# Altium PCB Flight_Controller_Board_Design.PcbDoc (continued)
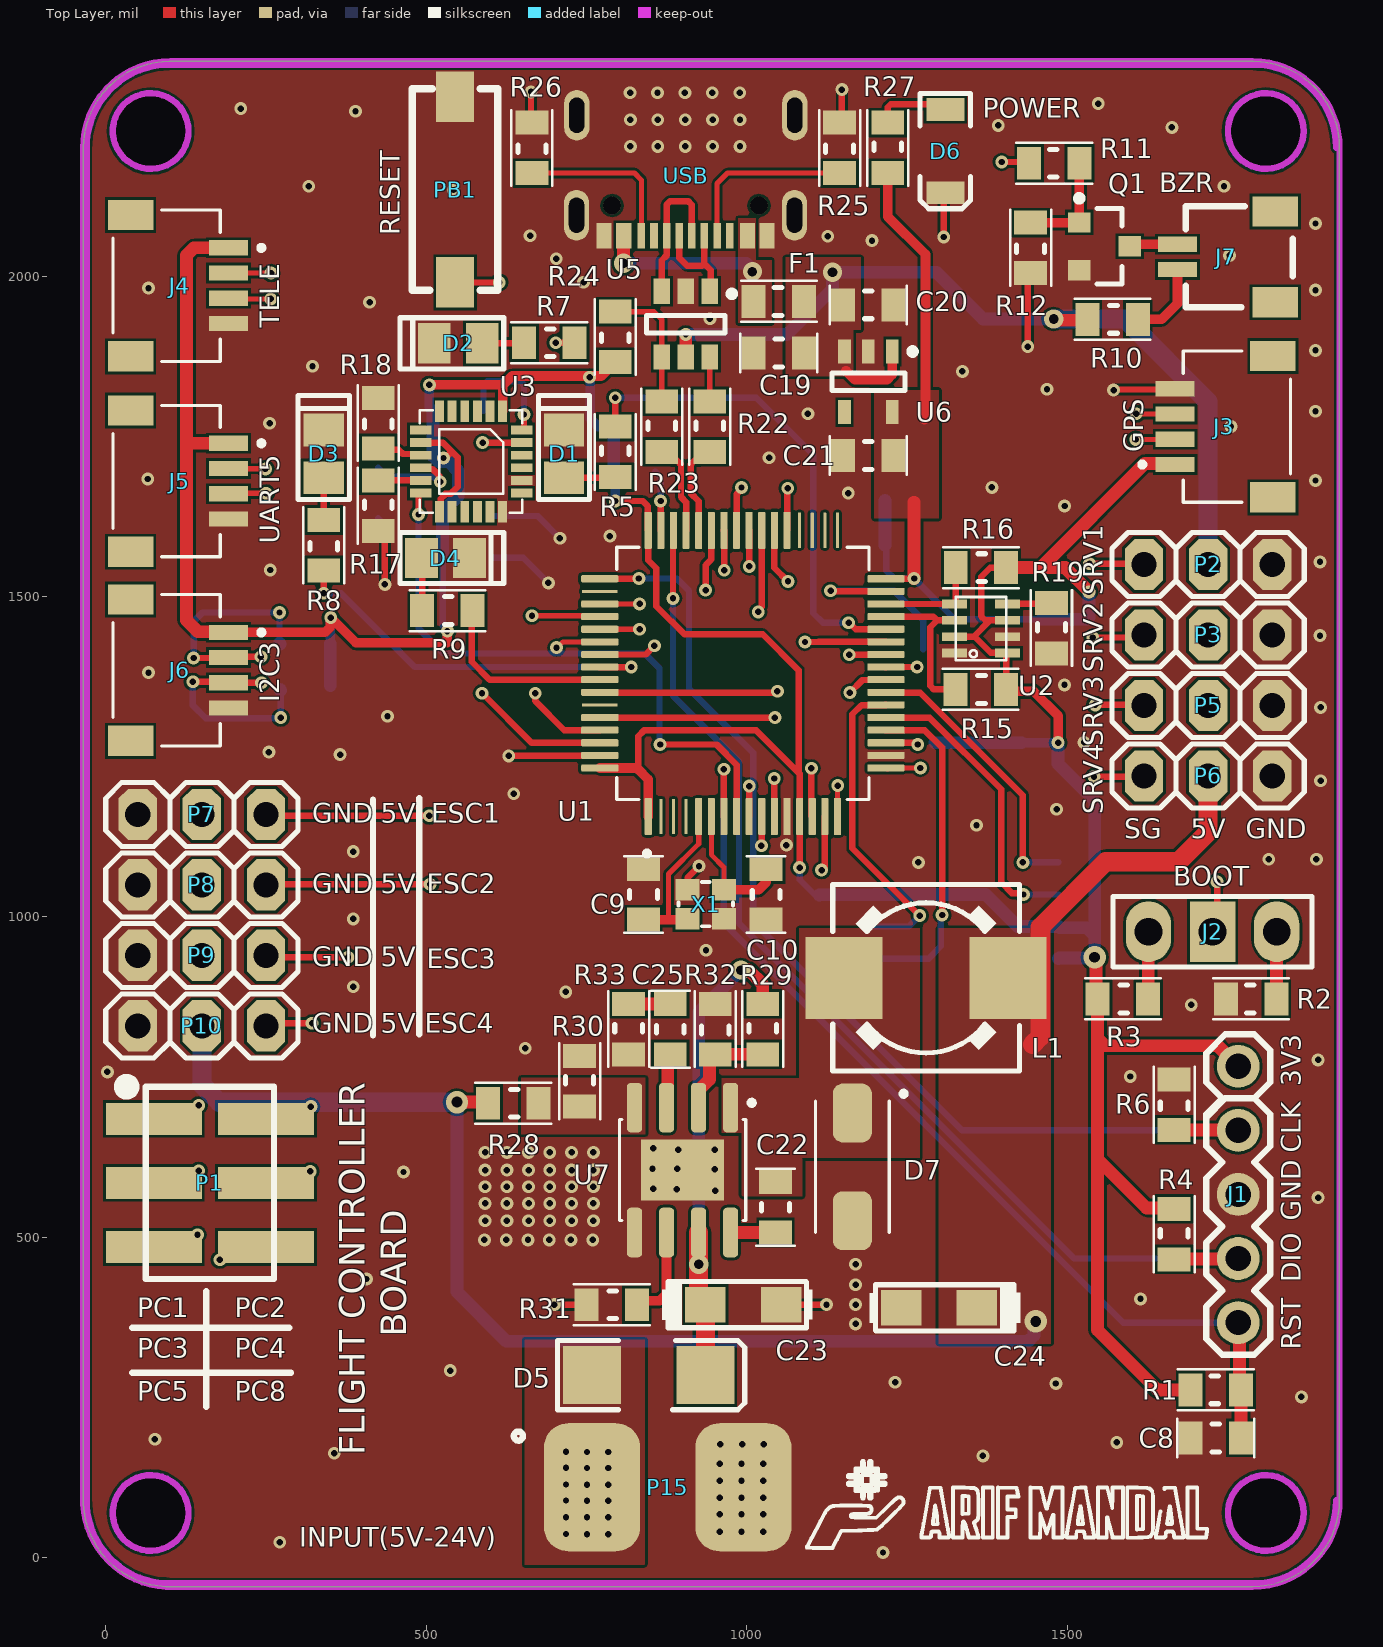
[diagram p0: Top Layer view]
## Footprints (in the part's own frame and the unit in brackets; to place one, negate y for a bottom-side part, rotate by r counter-clockwise, add the part's x,y. Pads: shape width x height; smd on the part's side, far side on the other; paste and mask are expansions set on the pad) (continued)
POWER_CONN [mm] "Power Connector"
  rrect50% 3.81x5.08 smd: 0(0,0) 1(6,0)
  silkscreen extent -3.1,1.85 -2.74,2.21
PTC-0805 [mm]
  rect 0.95x1.3 smd: 1(1.008,0.009) 2(-0.992,0.009)
  silkscreen extent -1.49,-0.8 1.51,0.82, body extent -1.07,-0.67 1.07,0.67, height 0.66
QFN-24 [mm]
  rect 0.85x0.35 smd mask+0.05: 1(-2,1.25) 2(-2,0.75) 3(-2,0.25) 4(-2,-0.25) 5(-2,-0.75) 6(-2,-1.25) 13(2,-1.25) 14(2,-0.75) 15(2,-0.25) 16(2,0.25) 17(2,0.75) 18(2,1.25)
  rect 0.35x0.85 smd mask+0.05: 7(-1.25,-2) 8(-0.75,-2) 9(-0.25,-2) 10(0.25,-2) 11(0.75,-2) 12(1.25,-2) 19(1.25,2) 20(0.75,2) 21(0.25,2) 22(-0.25,2) 23(-0.75,2) 24(-1.25,2)
  silkscreen extent -2.03,-2.03 2.03,2.03, body extent -2.01,-2.01 2.01,2.01, height 0.9
QFP-64N [mm]
  rrect25% 1.47x0.28 smd: 1(-5.67,3.75) 5(-5.67,1.75) 6(-5.67,1.25) 7(-5.67,0.75) 8(-5.67,0.25) 9(-5.67,-0.25) 10(-5.67,-0.75) 11(-5.67,-1.25) 12(-5.67,-1.75) 13(-5.67,-2.25) 14(-5.67,-2.75) 15(-5.67,-3.25) 16(-5.67,-3.75) 37(5.67,-1.75) 38(5.67,-1.25) 39(5.67,-0.75) 40(5.67,-0.25) 41(5.67,0.25) 42(5.67,0.75) 43(5.67,1.25) 44(5.67,1.75) 45(5.67,2.25) 46(5.67,2.75) 47(5.67,3.25) 48(5.67,3.75)
  rrect25% 1.397x0.127 smd: 2(-5.67,3.25) 3(-5.67,2.75) 4(-5.67,2.25) 33(5.67,-3.75) 34(5.67,-3.25) 35(5.67,-2.75) 36(5.67,-2.25)
  rrect25% 0.28x1.47 smd: 17(-3.75,-5.67) 18(-3.25,-5.67) 19(-2.75,-5.67) 20(-2.25,-5.67) 21(-1.75,-5.67) 22(-1.25,-5.67) 23(-0.75,-5.67) 24(-0.25,-5.67) 25(0.25,-5.67) 26(0.75,-5.67) 27(1.25,-5.67) 28(1.75,-5.67) 29(2.25,-5.67) 30(2.75,-5.67) 31(3.25,-5.67) 32(3.75,-5.67) 49(3.75,5.67) 51(2.75,5.67) 52(2.25,5.67) 53(1.75,5.67) 54(1.25,5.67) 55(0.75,5.67) 56(0.25,5.67) 57(-0.25,5.67) 58(-0.75,5.67) 60(-1.75,5.67) 61(-2.25,5.67) 62(-2.75,5.67) 63(-3.25,5.67) 64(-3.75,5.67)
  rrect25% 0.127x1.397 smd: 50(3.25,5.67) 59(-1.25,5.67)
  silkscreen extent -7.24,-5 5,5, body extent -6,-5.97 6,6.03, height 1.6
R805 [mm]
  rect 0.95x1.3 smd: 1(1,0) 2(-1,0)
  silkscreen extent -1.5,-0.81 1.5,0.81, body extent -1,-0.61 1,0.64, height 0.78
SM02B-SRSS-TB(LF)(SN) [mm]
  rect 0.6x1.55 smd: 1(-0.5,1.975) 2(0.5,1.975)
  rect 1.2x1.8 smd: 3(-1.8,-1.9) 4(1.8,-1.9)
  silkscreen extent -2,-2.6 2,1.65, body extent -2,-2.47 2,2.47, height 2.95
SOIC127P-9N [mm]
  rrect54% 1.97x0.6 smd: 1(-2.475,1.905) 2(-2.475,0.635) 3(-2.475,-0.635) 4(-2.475,-1.905) 5(2.475,-1.905) 6(2.475,-0.635) 7(2.475,0.635) 8(2.475,1.905)
  rect 2.41x3.3 smd paste-3: 9(0,0)
  silkscreen extent -2.77,-2.5 2,2.84, body extent -3,-2.45 3,2.45, height 1.7
SOIC-8N [mm]
  rrect25% 1.69x0.61 smd: 1(-3.64,1.905) 2(-3.64,0.635) 3(-3.64,-0.635) 4(-3.64,-1.905) 5(3.64,-1.905) 6(3.64,-0.635) 7(3.64,0.635) 8(3.64,1.905)
  silkscreen extent -5.43,-2.67 2.69,2.67, body extent -3.97,-2.67 3.97,2.59, height 2.03
SOT23_3 [mm]
  rect 0.9x0.8 smd: 1(-1,0.95) 2(-1,-0.95) 3(1,0)
  silkscreen extent -1.12,-1.5 0.7,2.02, body extent -1.25,-1.5 1.25,1.5, height 1.1
SOT-23-6 [mm]
  rect 1x0.65 smd: 1(-1.3,0.95) 2(-1.3,0) 3(-1.3,-0.95) 4(1.3,-0.95) 5(1.3,0) 6(1.3,0.95)
  silkscreen extent -1.32,-1.55 0.35,1.95, body extent -1.4,-1.45 1.4,1.45, height 1.45
SPARKFUN_PRT-14417 [mm]
  rect 0.6x1.55 smd: 1(-1.5,2.45) 2(-0.5,2.45) 3(0.5,2.45) 4(1.5,2.45)
  rect 1.2x1.8 smd: S1(-2.8,-1.425) S2(2.8,-1.425)
  silkscreen extent -3,-2.12 3,3.85, body extent -3.08,-2.21 2.92,2.74, height 3.25
TSOT-23-5 [mm]
  rect 0.95x0.5 smd: 1(-1.2,0.95) 2(-1.2,0) 3(-1.2,-0.95) 4(1.2,-0.95) 5(1.2,0.95)
  silkscreen extent -1.32,-1.45 0.35,1.88, body extent -1.4,-1.45 1.4,1.45, height 1
USB-C-5 [mm] "USB-C-16P-5"
  oval 1x2 hole 0.6 slot 1.4 at 90 deg: 0(-4.331,-5.113) 0(-4.32,-1.155) 0(4.309,-5.113) 0(4.32,-1.155)
  rect 0.6x1 smd: 1(-3.225,-0.34) 2(-2.45,-0.34) 11(2.45,-0.34) 12(3.225,-0.34)
  rect 0.3x1 smd: 4(-1.25,-0.34) 5(-0.75,-0.34) 6(-0.25,-0.34) 7(0.25,-0.34) 8(0.75,-0.34) 10(1.75,-0.34) A8(1.25,-0.34) B8(-1.75,-0.34)
  round 0.7 hole 0.7: h(-2.91,-1.537) h(2.91,-1.537)
  body extent -4.48,-7.82 4.47,-0.07, height 3.26

## Part data
C1 C2 C3 C4 C5 C6 C7 C8 C9 C10 C11 C12 C13 C14 C15 C16 C17 C18 C19 C20 C21 C22 C25: library part Cap, "Capacitor", Designer="Parsa Malekpour"
C23: library part "Cap Pol", "Polar capacitor", ASiD Part Number=C-AS, Volte=50v
C24: library part "Cap Pol", "Polar capacitor", ASiD Part Number=C-AS, Volte=6.3v
D1 D2 D3 D4: library part LED, "Typical INFRARED GaAs LED", ASiD Part Number=LED-AS
D5: library part 1N4007, "1 Amp Diode", ASiD Part Number=1n4007-AS
D7: "Diode, Rectifier, 3a, 40v, Do-214ac, Full Reel", Package=None, Availability=Unavailable, MP=B340A-13-F, Price=None
F1: library part PTC, "PTC", PackageReference=6-0805, PackageVersion=Mar-2003, Published=24-Mar-1999
J2: library part "Triple Jumper", "Jumper wire"
J3 J4 J5 J6: "QWIIC JST CONNECTOR - SMD 4-PIN", Package=None, Check_prices=https://www.snapeda.com/parts/PRT-14417/SparkFun+Electronics/view-part/?ref=eda, MF="SparkFun Electronics", MP=PRT-14417, SnapEDA_Link=https://www.snapeda.com/parts/PRT-14417/SparkFun+Electronics/view-part/?ref=snap
J7: library part SM02B-SRSS-TB(LF)(SN), "Connector Header Surface Mount, Right Angle 2 position 0.039 _1.00mm_", Package=None, Availability=Unavailable, MF="JST Sales", MP=SM02B-SRSS-TB_LF__SN_, Price=None, SnapEDA_Link=https://www.snapeda.com/parts/SM02B-SRSS-TB%28LF%29%28SN%29/JST%20Sales%20America%20Inc./view-part/447499/?ref=snap
L1: library part Inductor, "Inductor", ASiD Part Number=Inductor-AS, Current=3.75A
P1: "Pin Header 2x3, 2.54mm (100mil) SMD", Manufacturer=W-CON, Manufacturer Part Number=1125-1203S0M116R1, Part Number="Pin Header 2x3 SMD", Part number IPS=00000009966, Artikkelnr Noca=55010007, Component Class=Connectors, ComponentLink1Description=Datasheet, ComponentLink1URL=N.A., ComponentLink2Description="Supplier link", ComponentLink2URL=N.A., Footprint Doc=HDR_2x3-SMD, HelpURL=\\hizz\pro\app9717\Datasheet\connectors\W-CON\1125-12XXXXMXXXXX.PDF, LatestRevisionDate=2016-01-22, Note=SMD, Pad Count=6, PartId=100500242, Published=2016-01-22, Supplier 1=Cabcon, Supplier 2=Samtec, Supplier Part Number 1=1125-1203S0M116R1, Supplier Part Number 2=TSM-103-01-L-DV
P2 P3 P5 P6 P7 P8 P9 P10: "Header, 3-Pin", ASiD Part Number="Header 3-AS"
P15: "Li-on Battery Power Connector"
PB1: library part SWITCH-PB
Q1: library part bc817-16
R1 R2 R3 R4 R5 R6 R7 R8 R9 R10 R11 R12 R13 R14 R15 R16 R17 R18 R19 R20 R21 R22 R23 R24 R25 R26 R27 R28 R29 R30 R31 R32 R33: library part Resistor, "Resistor", Designer="Parsa Malekpour"
U1: "High-performance foundation line, ARM Cortex-M4 core with DSP and FPU, 1 Mbyte Flash, 168 MHz CPU, ART Accelerator", Package=64LQFP, Availability=Unavailable, MP=STM32F405RGT6, Purchase Link=https://ozdisan.com/Product/Detail/492033/STM32F405RGT6V
U2: "Digital Pressure Sensor"
U4: "EEPROM Memory IC 1Mb _128K x 8_ SPI 20MHz 8-SOIJ", Package="SOIC-8 Microchip", Availability=Unavailable, MF=Microchip, MP=25LC1024-I/SM, Price=None, SnapEDA_Link=https://www.snapeda.com/parts/25LC1024-I/SM/Microchip/view-part/223975/?ref=snap
U5: "Very low capacitance ESD protection"
U6: "Linear Voltage Regulator IC Positive Fixed 1 Output 300mA TSOT-23-5", Manu. Product Num.=NCP718BSN330T1G
U7: "Buck Switching Regulator IC Positive Adjustable 0.8V 1 Output 3A 8-SOIC (0.154, 3.90mm Width) Exposed Pad", Package="SOIC-8 Monolithic Power", Availability="In Stock", Check_prices=https://www.snapeda.com/parts/MP1584EN/Monolithic+Power+Systems+Inc./view-part/?ref=eda, MF="Monolithic Power", MP=MP1584EN, Price=None, Purchase-URL=https://pricing.snapeda.com/search/part/MP1584EN/?ref=eda, SnapEDA_Link=https://www.snapeda.com/parts/MP1584EN/Monolithic+Power+Systems+Inc./view-part/?ref=snap
USB: "USB Type C 16Pin Connector Super Speed pins not available on the 16-pin purely SMD connector so this part is best for USB 2.0 implementations. D1 and D2 are tied together enabling D+/- no matter which way the cable is plugged into the connector. The two channel configuration pins (CC1/2) are exposed. These are normally connected to ground via 5.1k resistors but can be reconfigured for high current/high power applications.", DeviceName=5, DeviceSetName=USB_C, GateName_1=J1, LibraryName=USBC, SymbolName_1=USB-C-MINIMUM
X1: "XTAL SMD 2016, 32MHz, Cl=8pF, Tol: ±10ppm, Stab: ±15ppm", Manufacturer=Golledge, Manufacturer Part Number=MP06003, Part Number=XTAL_SMD2016_32MHz_8pF_Golledge, Part number IPS=00000001431, Supplier Part Number 1=N.A., Artikkelnr Noca=22010050, Component Class=Oscillators, ComponentLink1Description=Datasheet, ComponentLink1URL=N.A., ComponentLink2Description="Supplier link", ComponentLink2URL=N.A., Footprint Doc=XTAL_2016, HelpURL=\\hizz\pro\app9717\Datasheet\crystals\Golledge\mp06003.pdf, LatestRevisionDate=2016-11-02, Note="XTAL SMD 32.000MHz", Pad Count=4, PartId=101600041, Published=2016-11-02, Supplier 1="Link Nordic", Supplier 2=N.A., Supplier Part Number 2=N.A.

## Via types
v1: diameter 20, hole 10, Top Layer to Bottom Layer, tented both sides, 223 vias
v2: diameter 20, hole 10, Top Layer to LY-1, tented both sides, 31 vias
v3: diameter 20, hole 10, Top Layer to LY-2, tented both sides, 21 vias
v4: diameter 30, hole 15, Top Layer to Bottom Layer, tented both sides, 6 vias
v5: diameter 35, hole 17, Top Layer to Bottom Layer, tented both sides, 3 vias

## Nets (pads, with @x,y where several pads share a name; then routed paths per layer and width w, separated by ;. In a path a pad name is that pad's centre, name@x,y a point inside that pad or via, vN(x,y) a via of type N, cw(c..) or ccw(c..) an arc to the next point about the centre after c; other vN are vias at no path point)
+3V3: C1.2 C2.2 C3.2 C4.2 C5.2 C6.2 C7.2 C13.2 C14.2 C15.2 C16.2 C18.2 C21.2 J1.1 J3.1 J4.1 J5.1 J6.1 R1.2 R3.1 R4.2 R13.2 R14.2 R15.2 R16.2 R20.2 R21.2 R24.2 R27.1 U1.1 U1.13 U1.19 U1.32 U1.48 U1.64 U2.2 U2.6 U2.8 U3.1 U3.8 U3.13 U4.3 U4.7 U4.8 U6.5 | length 8005.5
  Top Layer w10: U3.8 525.84,1740.16 539.69,1726.31 ; U3.13@522.68,1633.78 522.68,1652.68 530,1660 538,1660 549,1671 549,1717 539.69,1726.31 ; v1(527,1716.14) 529.51,1716.14 539.69,1726.31 ; v1(795,1649) 838,1649 845.91,1641.09 U1.48@845.91,1603.74 ; 831,1230 831,1282.14 839.86,1291 1015.13,1291 1081,1225.13 ; U1.48 846.42,1556.72 859,1544.14 859,1485 903,1441 1025,1441 1081,1385 1081,1225.13 ; v1(1082.64,1077.01) U1.13 1082.64,1223.49 1081,1225.13 ; U1.19 1261.56,1271.73 1264.29,1269 v1(1267,1269) ; U1.32 v1@1262,1527.64 ; 1261.2,1647 1263,1648.79 ; U2.2 1354.2,1437.2 ; R15.2 1405.08,1355.71 1405.08,1409.72 U2.8 1407.35,1412 1381.09,1412 1355.89,1437.2 1354.2,1437.2 ; R16.2 1380,1545 1366,1531 1366,1468.86 1372.06,1462.8 1379.8,1462.8 ; U2.6 1379.8,1462.8 ; 1354.2,1437.2 1379.8,1462.8
  Top Layer w15: J6.1 342.21,1444.06 350.04,1451.89 350.04,1466.04 v1(351,1467) 390,1428 533,1428 v1(533,1446) ; v1(505,1830.14) 618.28,1830.14 619.21,1829.21 ; U3.1 619.21,1829.21 ; U1.64 828.64,1232.36 ; R24.2 773.37,1844 634,1844 619.21,1829.21 ; 831,1230 846.42,1214.58 U1.1 ; R27.1 1220,2093 1279,2034 1279,1778 1277,1776 ; R15.2@1405.08,1355.71 1408.79,1352 1448,1352 1486,1314 v1(1486,1272)
  Top Layer w20: J6.1@190.51,1445 144,1445 126,1463 126,1740.16 ; J5.1 127.1,1739.06 126,1740.16 ; J4.1 137.72,2044.06 126,2032.34 126,1740.16 ; v1(1261.2,1528) 1261.2,1647 ; R16.2 1459,1545 ; v1(1534,1507) 1534,1508 1497,1545 1459,1545 ; v5(1543,937) 1545.31,934.69 1545.31,874.32 R3.1 1547.63,810.72 ; R4.2 1665.37,546 1624,546 1547.63,622.37 ; J3.1 1666.73,1707.76 1621.76,1707.76 1459,1545 ; R1.2 1641,262 1547.63,355.37 1547.63,622.37 ; J1.1 1735,799 1559.35,799 1547.63,810.72 ; 1547.63,622.37 1547.63,810.72
  Bottom Layer w10: 525.63,1454.37 C15.2 ; v1(1082.64,1077.01) 1082.64,1058.15 1106.42,1034.37 C18.2 ; C3.2 1217.63,1578 1217.63,1540.37 1229.8,1528.2 1261,1528.2 v1(1261.2,1528) 1324.83,1464.37 C13.2
  Bottom Layer w15: R20.2 v1@350.37,1467 ; v1(505,1830.14) 505,1795.47 R13.2 ; v1@756,1842 756,1777 768,1765 C1.2 ; v1@795,1650 C2.2@795,1692.64 ; C7.2 v1@1485,1271.73
  Bottom Layer w20: R21.2@350.37,1361 R20.2 ; R13.2 R14.2 510.63,1719.21 519.33,1710.51 534.77,1710.51 550,1695.28 550,1656.89 525.63,1632.52 C16.2 C15.2 ; C1.2 C2.2 C2.2@795,1692.64 ; C18.2 1113.62,1034.69 1199.69,1034.69 U4.3 1373,1035 1423,985 U4.7 1488.62,982.99 1531.28,982.99 1543,971.28 ; C3.2 C4.2 ; C5.2 C6.2 C7.2 ; C13.2 C14.2 1534,1467.74 v1(1534,1507) ; v1(1486,1272) 1486,1239 1543,1182 1543,971.28 ; U4.8 1487.61,936 1542,936 v5(1543,937) 1543,971.28
  other v1: 755,1842
+5V: C19.2 C20.2 C24.+ F1.1 L1.2 P2.2 P3.2 P5.2 P6.2 P7.2 P8.2 P9.2 P10.2 R10.1 R28.1 U5.5 U6.1 U6.3 | length 3814.6
  Top Layer w15: 1155,1852 1169,1838 1219,1838 1227,1846 1227,1851.14 1227.4,1851.54 U6.1
  Top Layer w20: v5(548,711) 594.84,711 R28.1 ; U5.5 v1(905,1909) ; v4@1483,1931 1530.23,1931 R10.1
  Top Layer w30: 1446,801 1458,813 1458,984 1560,1086 1674,1086 1720,1132 P6.2
  Bottom Layer w20: v5(548,711) 548,415 625,338 1439.28,338 1448.13,346.85 1448.13,366.13 v5(1451,369) ; v1(905,1909) 1063,1909 1134,1980 v4(1134,2006) 1296,2006 1369,1933 v4(1479,1933)
  Bottom Layer w30: P10.2 150,738 177,711 v5(548,711) ; v4(1479,1933) 1591,1933 1720,1804 P2.2
BOOT0: J2.2 U1.60 | length 1142.2
  Top Layer w10: U1.60@778.83,1311.1 v3(1044,1311.1) ; J2.2 1734,984 v3(1734,1055)
  LY-2 w10: v3(1044,1311.1) 1119.9,1311.1 1376,1055 v3(1734,1055)
ESC1_PWM: P7.1 U1.14 | length 954.5
  Top Layer w10: P7.1@250,1158 v3(505,1158) ; U1.14@1101,1158.09 v3(1101,1232)
  LY-2 w10: v3(505,1158) 1015,1158 1089.77,1232.77 v3@1099.58,1232.77
ESC2_PWM: P8.1 U1.15 | length 970.1
  Top Layer w10: P8.1@247,1051 254,1058 261,1051 v3(506,1051) ; v3@1118,1073 1122.01,1077.01 U1.15
  LY-2 w10: v3@508,1051 1096,1051 v3@1118.5,1073.5
  other v3: 1117,1073
ESC3_PWM: P9.1 U1.42 | length 1295
  Top Layer w10: P9.1@244,937 246,935 248,937 v3(378,937) ; U1.42 964.76,1602.99 964.76,1541.24 v3(965,1541)
  LY-2 w10: v3(378,937) 402,937 451,986 451,1177.36 498.64,1225 901,1225 965,1289 v3(965,1541)
ESC4_PWM: P10.1 U1.43 | length 1327.7
  Top Layer w10: P10.1@238,829 243,834 v3(322,834) ; v3(936,1510) 936,1549 944.84,1557.84 U1.43
  LY-2 w10: v3(322,834) 332,834 342,844 342,1120 543,1321 899,1321 936,1358 v3(936,1510)
GND: C1.1 C2.1 C3.1 C4.1 C5.1 C6.1 C7.1 C8.1 C9.1 C10.1 C11.1 C12.1 C13.1 C14.1 C15.1 C16.1 C17.1 C18.1 C19.1 C20.1 C21.1 C23.- C24.- D1.K D2.K D3.K D4.K D6.2 D7.A J1.3 J3.4 J4.4 J5.4 J6.4 P2.3 P3.3 P5.3 P6.3 P7.3 P8.3 P9.3 P10.3 P15.1 PB1.2 Q1.2 R2.2 R6.1 R12.2 R17.1 R18.1 R19.1 R25.1 R26.1 R30.2 R31.1 R32.1 R33.1 U1.12 U1.18 U1.63 U2.1 U2.7 U3.18 U3.20 U4.4 U5.2 U6.2 U7.5 U7.9 USB.0 USB.1 USB.12 X1.2 X1.4 | length 1105.1
  Top Layer w10: R17.1 435.58,1591.78 v1(435.58,1518.95) ; v1(628.84,1251.26) 629.24,1251.65 770.43,1251.65 U1.63 ; v1(663.43,2287.26) 663.43,2240.94 R26.1 ; v1(700,395) R31.1 ; X1.4 907.9,1042.87 907.9,1061.58 v1(925.58,1079.26) ; C23.- v1(1124.58,395) ; R25.1 1148.58,2242.95 v1(1148.58,2291) ; v1(1307.58,2061) D6.2@1307.58,2127.58 ; v1(1438.58,1890) 1438.58,2000.27 R12.2 ; v1(1572.58,1822) 1573.61,1823.03 1667.52,1823.03 J3.4
  Bottom Layer w10: C17.1 435.58,1611.31 v1(435.58,1518.95) ; C15.1 651.21,1560.63 v1(690.58,1521.26) ; C16.1 673.84,1625.63 v1(708.58,1590.89)
  other v1: 1212.67,8.26 271.58,24.26 958,40.45 991.98,40.45 1025.96,40.45 958,68 991.98,68 1025.96,68 958,94 991.98,94 1025.96,94 958,120 991.98,120 1025.96,120 958,147 991.98,147 1025.96,147 1368.58,159 356.58,163 959,177 992.98,177 1026.96,177 1577.58,180 76.58,185 1865.58,251 1482.58,272 1231.58,274 537.5,292.09 1170,365 1170,395 1614.58,404 1170,426 406.58,435 1170,458 590.82,496 624.8,496 658.78,496 691.82,496 725.8,496 759.78,496 591.82,526 625.8,526 659.78,526 692.82,526 726.8,526 760.78,526 591.82,553 625.8,553 659.78,553 692.82,553 726.8,553 760.78,553 1891.58,562 951,573 891,575 854,576 591.82,579 625.8,579 659.78,579 692.82,579 726.8,579 760.78,579 464.58,602 591.82,605 625.8,605 659.78,605 692.82,605 726.8,605 760.78,605 950,606 853,607 892,607 591.82,632.55 625.8,632.55 659.78,632.55 692.82,632.55 726.8,632.55 760.78,632.55 893,637 950,637 854,638.78 1598.58,751 2.58,758.26 1891.58,777 654.58,795 1693.58,862.76 717.58,883 386,891 936.58,948 386,997 1268,1085 1814.58,1090 1889,1090 386,1102 1062,1112 1358.58,1143 1483.58,1167.97 636.58,1192.26 1895.58,1212.37 365.58,1253.26 254.58,1257.26 1526.58,1272.26 439.58,1313.26 1895.58,1327 1496,1362 66.58,1381.26 1894.58,1439 256.58,1541.26 1894.58,1554 786.58,1594.26 1496.17,1641.26 1158.58,1661.31 1382.58,1670.26 1887.58,1681 65.58,1683.26 1035.08,1716.62 1755.58,1765.26 255.58,1770.26 1095.58,1785.26 1887.58,1789 1468.58,1823.26 1336.58,1851.26 322.58,1859.26 1887.58,1884 942.58,1933.26 411.58,1959.26 1887.58,1978 66.58,1981.26 745.58,1990.26 703,2027 1753.58,2032.26 1195.58,2055.26 1126.58,2062.21 662,2063 1887.58,2082 542.58,2134.26 316.58,2140.26 1744.8,2140.03 818.58,2202.26 861.33,2202.26 904.08,2202.26 946.83,2202.26 989.58,2202.26 1663.58,2232 1392.58,2235 818.58,2244 861.33,2244 904.08,2244 946.83,2244 989.58,2244 389.58,2257.26 210.49,2261.26 1548.58,2269 818.17,2286 860.92,2286 903.67,2286 946.42,2286 989.17,2286
LED_B: R8.2 U1.56 | length 612.3
  Top Layer w10: v1(340,1505) R8.2 ; U1.56 v1@819.84,1389.84
  Bottom Layer w10: v1(340,1505) 367,1505 482,1390 v1(820,1390)
LED_G: R7.2 U1.55 | length 689.5
  Top Layer w10: v2(702,1896) R7.2 ; U1.55 842.53,1409.53 v2(856,1423)
  LY-1 w10: v2@701,1896 v2(702,1896) 756,1896 825,1827 825,1641.85 856,1610.85 v2(856,1423)
LED_R: R5.2 U1.28 | length 760.5
  Top Layer w10: R5.2 v1(795,1810) ; v1@1160,1459 1170.1,1448.9 U1.28
  Bottom Layer w10: v1(795,1810) 1015,1810 1104,1721 1104,1474 1119,1459 v1(1159,1459)
LED_Y: R9.2 U1.57 | length 291.9
  Top Layer w10: R9.2 571,1476.63 571,1398 598.84,1370.16 U1.57
MCU_BUZZER: R11.2 U1.58 | length 1290.9
  Top Layer w10: U1.58@771.38,1350 1046,1350 v1(1048,1352) ; v2(1398,2178) 1438.63,2178 R11.2
  LY-1 w10: v1(1048,1352) 1048,1459 1398,1809 v2@1398,2177
NetC11_2: C11.2 U1.47 | length 93.5
  Top Layer w10: U1.47@866,1603.33 v1@866,1647.26
  Bottom Layer w10: C11.2 865.64,1686.41 v1(865.64,1649)
NetC12_2: C12.2 U1.31 | length 294.2
  Top Layer w10: v1@1132,1507.95 U1.31
  Bottom Layer w10: v1(1131,1509) 1230,1509 1275.63,1463.37 C12.2
NetC17_2: C17.2 U3.10 | length 150.2
  Top Layer w10: U3.10 493.15,1698.9 509.81,1698.9 520.09,1688.63 520.09,1680.91 v1(522,1679)
  Bottom Layer w10: C17.2 438.7,1686.93 511.36,1686.93 519.29,1679 v1(522,1679)
NetC22_1: C22.1 D7.C L1.1 U7.1
NetC22_2: C22.2 U7.8 | length 70
  Top Layer w20: U7.8 975.07,507.63 C22.2
NetC23_+: C23.+ D5.K R29.2 U7.7 | length 787
  Top Layer w20: v4(991,917) 1003,917 1025,895 R29.2
  Top Layer w30: U7.7 925,405.58 C23.+ D5.K
  Bottom Layer w20: v4(925.16,458) 925.16,851.16 v4(991,917)
NetC25_1: C25.1 R33.2 | length 65
  Top Layer w20: R33.2 C25.1
NetC25_2: C25.2 U7.3 | length 85.6
  Top Layer w20: U7.3 876.81,704.25 876.81,781.6 C25.2
NetD1_A: D1.A R5.1 | length 80.4
  Top Layer w10: D1.A 793.94,1685.2 R5.1
NetD2_A: D2.A R7.1 | length 65.6
  Top Layer w10: D2.A 651.63,1895 R7.1
NetD3_A: D3.A R8.1 | length 65.8
  Top Layer w10: R8.1 D3.A
NetD4_A: D4.A R9.1 | length 82.4
  Top Layer w10: D4.A 493.63,1558.97 R9.1
NetD6_1: D6.1 R27.2 | length 107.9
  Top Layer w10: R27.2 1220,2263.33 1224.69,2268.02 D6.1@1301.98,2268.02
NetJ2_1: J2.1 R2.1 | length 104.8
  Top Layer w20: R2.1 1826.69,872.31 J2.1@1826.69,976.68
NetJ2_3: J2.3 R3.2 | length 108.8
  Top Layer w20: R3.2@1626.37,868 1626.69,868.31 J2.3@1626.69,976.68
NetJ3_2: J3.2 U1.17 | length 808.1
  Top Layer w8: U1.17 1217.92,1233 1219.92,1231 1221.28,1232.36 v2(1271,1232.36) ; v2(1607,1745) 1607.16,1745.16 1668.39,1745.16 J3.2
  LY-1 w10: v2(1271,1232.36) 1271,1235 1321,1285 1321,1526 1540,1745 v2(1607,1745)
NetJ3_3: J3.3 U1.16 | length 994
  Top Layer w8: U1.16 1142,1157.08 v2(1142,1205) ; v2(1608,1785) 1608.16,1784.84 1668.39,1784.84 J3.3
  LY-1 w10: v2(1142,1205) 1142,1250 1125,1267 1125,1469 1441,1785 v2(1608,1785)
NetJ4_2: J4.2 U1.52 | length 889.6
  Top Layer w8: J4.2 v2(258,2004.69) ; v2(665,1470) U1.52@764.83,1470
  LY-1 w10: v2(258,2004.69) 292.11,2004.69 590,1706.8 590,1545 v2(665,1470)
NetJ4_3: J4.3 U1.51 | length 1049.2
  Top Layer w8: J4.3 192.48,1964.29 v2(257.29,1964.29) ; U1.51@770.94,1488.39 v2(833,1488.39)
  LY-1 w10: v2@258,1964 313,1964 550,1727 550,1537 644,1443 787.61,1443 v2(833,1488.39)
NetJ5_2: J5.2 U1.54 | length 698.2
  Top Layer w8: J5.2 191.8,1699.34 248.66,1699.34 v2(249,1699) ; v2@704,1420 713.21,1429.21 U1.54
  LY-1 w10: v2(249,1699) 339,1699 617.71,1420.29 v2(703.29,1420.29)
NetJ5_3: J5.3 U1.53 | length 839
  Top Layer w8: J5.3 192.14,1661 v2(250,1661) ; U1.53 v2(833,1448.9)
  LY-1 w10: v2(250,1661) 258,1661 527,1392 776.1,1392 v2(833,1448.9)
NetJ6_2: J6.2 R20.1 U1.40 | length 1308.7
  Top Layer w10: v1(137,1404) J6.2@190.77,1404 ; J6.2 192.77,1406 v2(242,1406) ; U1.40 U1.40 1003.95,1547.05 v2(1004,1547)
  Top Layer w20: J6.2@190.77,1404 J6.2
  LY-1 w10: v2(242,1406) 461,1406 539,1328 811.53,1328 1004,1520.47 v2(1004,1547)
  Bottom Layer w10: v1(137,1404) 137,1461 151,1475 v1(271,1475) R20.1@271,1426.63
  Bottom Layer w20: R20.1@271,1426.63 R20.1
NetJ6_3: J6.3 R21.1 U1.41 | length 1476.3
  Top Layer w10: v1(136,1367) 189.14,1367 J6.3@191.14,1365 ; J6.3 v2(243,1365.32) ; U1.41 984.21,1659.51 992,1667.29 v2(992,1670)
  Top Layer w20: J6.3@191.14,1365 J6.3
  LY-1 w10: v2(243,1365.32) 449.69,1365.32 516,1299 814.13,1299 1025.58,1510.45 1025.58,1636.42 v2(992,1670)
  Bottom Layer w10: v1(136,1367) 136,1330 156,1310 272,1310 v1(273,1311) R21.1@273,1353.63
  Bottom Layer w20: R21.1 R21.1@273,1353.63
NetJ7_1: J7.1 R10.2 | length 125.2
  Top Layer w15: R10.2 1647.4,1932.4 1672.24,1957.24 J7.1
NetJ7_2: J7.2 Q1.3 | length 75.9
  Top Layer w8: Q1.3 Q1.3@1601.02,2049.69
  Top Layer w15: Q1.3@1601.02,2049.69 J7.2
NetQ1_1: Q1.1 R11.1 R12.1 | length 168.5
  Top Layer w8: Q1.1@1518.62,2083.43 Q1.1 ; R11.1@1519,2175.63 R11.1
  Top Layer w15: R12.1 Q1.1@1518.62,2083.43 ; Q1.1 R11.1@1519,2175.63
NetR13_1: R13.1 U1.62 U3.24 | length 908.2
  Top Layer w10: v3@588,1348 664.27,1271.73 U1.62 ; U3.24 650.74,1759.84 652.63,1761.73 v1(652.63,1784)
  LY-2 w10: v3@585.7,1350.3 560,1376 560,1742 602,1784 v1(652.63,1784)
  Bottom Layer w10: R13.1 589.37,1830.14 595.23,1836 646.63,1836 652.63,1830 v1(652.63,1784)
  other v3: 587,1349
NetR14_1: R14.1 U1.61 U3.23 | length 631
  Top Layer w10: v1(588,1740.16) U3.23 ; v3(670,1349) 670,1337 715.58,1291.42 U1.61
  LY-2 w10: v1(588,1740.16) 588,1408 647,1349 v3(670,1349)
NetR15_1: R15.1 U1.29 U2.3 | length 257.7
  Top Layer w10: U1.29 1291.42,1468.58 1297.2,1462.8 ; U2.3 1297.2,1462.8 ; R15.1 1291.93,1355 1286.41,1360.52 1286.41,1452 1297.2,1462.8
NetR16_1: R16.1 U1.30 U2.4 | length 164.5
  Top Layer w10: U1.30 U1.30 1324.23,1488.33 U2.4 1326.18,1490.28 1326.18,1544.92 R16.1
NetR17_2: R17.2 U3.11 | length 66.3
  Top Layer w10: R17.2 U3.11
NetR18_2: R18.2 U3.9 | length 70.7
  Top Layer w10: R18.2 427.26,1729 457,1729 463.64,1722.36 489.37,1722.36 U3.9
NetR19_2: R19.2 U2.5 | length 69.3
  Top Layer w10: U2.5 1474.02,1488.39 R19.2
NetR22_1: R22.1 U1.44 | length 146.1
  Top Layer w10: U1.44 925.16,1648.79 912.5,1661.45 912.5,1706.07 918.36,1711.93 928.7,1711.93 R22.1
NetR22_2: R22.2 U5.6 | length 69.4
  Top Layer w8: R22.2 U5.6
NetR23_1: R23.1 U1.45 | length 144.1
  Top Layer w10: R23.1 881.3,1711.93 891.64,1711.93 897.5,1706.07 897.5,1655.24 905.47,1647.26 U1.45
NetR23_2: R23.2 R24.1 U5.4 | length 205.6
  Top Layer w8: R24.1 855.63,1944.37 867.6,1932.4 U5.4 R23.2
NetR25_2: R25.2 USB.4 | length 279.4
  Top Layer w8: USB.4 953.79,2144.26 970.16,2160.63 R25.2
NetR26_2: R26.2 USB.10 | length 262.2
  Top Layer w8: R26.2 825,2160.63 835.68,2149.95 USB.10
NetR28_2: R28.2 R30.1 U7.4
NetR29_1: R29.1 R32.2 U7.2 | length 155.7
  Top Layer w20: U7.2 925,729.41 942,746.41 R32.2@942,776.93 ; R32.2 R29.1
NetR31_2: R31.2 U7.6 | length 148.9
  Top Layer w15: R31.2 834.74,401 864,401 875,412 U7.6
NetU1_8: U1.8 U3.12 | length 943.2
  Top Layer w10: v1(488,1628) U3.12@488,1659.53 ; v1(865,1269) 952.87,1269 984.21,1237.66 U1.8
  Bottom Layer w10: v1(488,1628) 488,1450.09 527.09,1411 841,1411 864,1388 v1@864,1269
NetU1_20: U1.20 U4.1 | length 520.8
  Top Layer w10: U1.20 1277.58,1291.42 1305,1264 v1(1305,1003)
  Bottom Layer w10: U4.1 1284,935 1303.09,954.09 1303.09,1001.09 v1(1305,1003)
NetU1_21: U1.21 U4.6 | length 468.7
  Top Layer w10: U1.21 1217.8,1310.59 1285.41,1310.59 1397,1199 1397,1053.86 1413.94,1036.91 1430.09,1036.91 v1(1432,1035)
  Bottom Layer w10: v1(1432,1035) U4.6
NetU1_22: U1.22 U4.2 | length 492.9
  Top Layer w10: U1.22 1216.77,1330.28 1179.28,1330.28 1165,1316 1165,1107 v1(1270,1002)
  Bottom Layer w10: U4.2 1253,985 v1(1270,1002)
NetU1_23: U1.23 U4.5 | length 440.8
  Top Layer w10: U1.23 1217.8,1349.96 1271.04,1349.96 1431,1190 v1(1431,1085)
  Bottom Layer w10: v1(1431,1085) U4.5
NRST: C8.2 J1.5 PB1.1 R1.1 U1.7 | length 2675.3
  Top Layer w10: PB1.1 v3(614,1990) ; U1.7 v1(964.53,1230.47)
  Top Layer w20: J1.5 1769.19,364.82 1769.19,264.19 R1.1 C8.2
  LY-2 w10: v3@614,1991 692,1991 855,1828 972,1828 1000.5,1799.5 1000.5,1266.45 v1(964.53,1230.47)
  Bottom Layer w10: v1(964.53,1230.47) 964.53,989.97 1587.5,367 J1.5
OSC_IN: C9.2 U1.5 X1.1 | length 247.8
  Top Layer w8: 878,995.63 878,1067 925.16,1114.16 U1.5 ; X1.1@905.94,995.63 X1.1
  Top Layer w15: C9.2@841.22,995.63 878,995.63 X1.1@905.94,995.63
OSC_OUT: C10.2 U1.6 X1.3 | length 213.2
  Top Layer w8: U1.6 944.84,1097.16 964.76,1077.24 X1.3
  Top Layer w15: X1.3 1019.16,1042.64 1030.38,1053.86 C10.2
PC1: P1.1 U1.9 | length 1112.5
  Top Layer w10: U1.9 U1.9 v2(1003.95,1204.05)
  LY-1 w10: v2(145,706) 288,706 786.05,1204.05 v2(1003.95,1204.05)
PC2: P1.2 U1.10 | length 917.6
  Top Layer w10: v2(1023,1111) 1023.29,1111.29 1023.29,1156.48 U1.10
  LY-1 w10: v2(320,704) 727,1111 v2(1023,1111)
PC3: P1.3 U1.11 | length 1308.2
  Top Layer w10: v2(1043,1216) 1043.13,1215.87 1043.13,1156.91 U1.11
  LY-1 w10: v2(145,604) 266,604 706,1044 1037.14,1044 1043,1049.86 v2(1043,1216)
PC4: P1.4 U1.24 | length 1395.4
  Top Layer w10: v2(1161,1350) 1180.65,1369.65 1216.77,1369.65 U1.24
  LY-1 w10: v2(319,603) 730,1014 1125,1014 1170,1059 1170,1340 v2@1163,1347
PC5: P1.5 U1.25 | length 1725.7
  Top Layer w10: U1.25 1217.36,1389.92 1265.92,1389.92 v2(1266,1390)
  LY-1 w10: v2(143.1,504) 275,504 756,985 1182,985 1240.94,1043.95 1240.94,1363.95 v2@1266,1389
PC8: P1.6 U1.39 | length 1820.5
  Top Layer w10: v2(1018,1476) 1018,1478.71 1023.58,1484.29 U1.39
  LY-1 w10: v2(178,465) 123,465 50,538 50,657 149,756 318.2,756 812.2,1250 974,1250 1018,1294 v2@1018,1475.84
SERVO1_PWM: P2.1 U1.37 | length 671.9
  Top Layer w10: U1.37 1063.46,1603.74 1063.46,1668.46 v3(1064,1669) ; v3(1535,1551) 1619,1551 P2.1
  LY-2 w10: v3(1064,1669) 1085,1669 1204,1550 v3@1535,1550
SERVO2_PWM: P3.1 U1.38 | length 681.9
  Top Layer w10: U1.38 1043.27,1544.73 v3(1064.5,1523.5) ; v3(1540,1436) 1616,1436 P3.1
  LY-2 w10: v3(1064.5,1523.5) 1152,1436 v3(1540,1436)
SERVO3_PWM: P5.1 U1.26 | length 576.7
  Top Layer w10: v3(1160,1409) U1.26@1235,1409 ; v3(1544,1330.79) 1609.21,1330.79 P5.1@1611,1329
  LY-2 w10: v3(1160,1409) 1160,1379 1208.21,1330.79 v3(1544,1330.79)
SERVO4_PWM: P6.1 U1.27 | length 820.7
  Top Layer w10: v3(1091,1429) 1112,1429 ; 1167,1429 1112,1429 ; U1.27 1112.21,1429.21 1112,1429 ; v3(1542,1219) P6.1@1618,1219
  LY-2 w10: v3@1091,1428 1091,1384 1256,1219 v3(1542,1219)
SWCLK: J1.2 R6.2 U1.49 | length 1696.6
  Top Layer w10: U1.49 v1@831.64,1527.64
  Top Layer w20: R6.2 1667.31,667.32 1766.69,667.32 J1.2
  Bottom Layer w10: v1(831.79,1528) 891,1528 910,1509 910,1356 1010,1256 1010,993 1336,667 J1.2
SWDIO: J1.4 R4.1 U1.46 | length 1746.9
  Top Layer w10: v1(885,1497) U1.46@885,1598.02
  Top Layer w20: R4.1 1667.69,466.32 1766.31,466.32 J1.4
  Bottom Layer w10: v1(885,1497) 885,1345 988,1242 988,990 1511,467 J1.4
USB_N: U5.1 USB.5 USB.7 | length 172.2
  Top Layer w10: USB.7 894.74,2028.19 906.93,2016 930.14,2016 934.11,2019.97 ; USB.5 934.11,2019.97 ; U5.1 944,1977.78 944,2009 934.11,2018.89 934.11,2019.97
USB_P: U5.3 USB.6 USB.8 | length 230.5
  Top Layer w10: U5.3 867.6,2024.6 875.05,2032.05 USB.8 875.05,2111.14 880.91,2117 908.56,2117 914.42,2111.14 USB.6
VBUS: F1.2 USB.2 USB.11 | length 246.6
  Top Layer w20: v4(808,2020) 808,2062.75 USB.11
  Bottom Layer w20: v4(808,2020) 999,2020 v4@1008,2011
  other v4: 1009,2007
VCC: D5.A P15.0
  other v1: 718.06,37.13 750.91,36.82 783.77,36.82 718.06,63.4 750.91,63.09 783.77,63.09 718.06,89.4 750.91,89.09 783.77,89.09 718.06,114.4 750.91,114.09 783.77,114.09 718.06,140.4 750.91,140.09 783.77,140.09 718.06,165.4 750.91,165.09 783.77,165.09
pads on no net: J3.S1 J3.S2 J4.S1 J4.S2 J5.S1 J5.S2 J6.S1 J6.S2 J7.3 J7.4 U1.2 U1.3 U1.4 U1.33 U1.34 U1.35 U1.36 U1.50 U1.59 U3.2 U3.3 U3.4 U3.5 U3.6 U3.7 U3.14 U3.15 U3.16 U3.17 U3.19 U3.21 U3.22 U6.4 USB.A8 USB.B8 USB.h

## Polygon pours and split planes (outlines as drawn)
GND on Top Layer "Top Layer-GND" (solid, remove dead copper, pour order 22): -34.87,83.82 cw(c-30,85) -35.02,85 -35.02,2200 cw(c-30,2200) -35.01,2200.17 cw(c100,2200) 100,2335.02 cw(c100,2330) 100.03,2335.01 1790,2335.02 cw(c1790,2330) 1790.16,2335.01 cw(c1790,2200) 1925.02,2200 cw(c1920,2200) 1925.01,2199.92 1925.01,90.03 cw(c1920,90) 1925.02,90 cw(c1790,90) 1925.02,90 cw(c1790,90) 1790,-45.02 cw(c1790,-40) 1789.97,-45.01 95,-45.01 cw(c95,-40) 93.8,-44.87 cw(c100,90)
+5V on Top Layer "Top Layer-+5V" (solid, pour order 16): 1299.63,982 1474.63,982 1474.63,334.37 1299.63,334.37
no net on Top Layer "Top Layer-No Net" (solid, pour order 14): 1286,992
NetC22_1 on Top Layer "Top Layer-NetC22_1" (solid, pour order 12): 961,748 961,663 992,663 992,566 994,564 1087,564 1087,623 1086,624 1270,624 1270,982 1082,982 1082,749 1081,748
NetR28_2 on Top Layer "Top Layer-NetR28_2" (solid, pour order 10): 648,661 842,661 842,749 648,749
VCC on Top Layer "Top Layer-VCC" (solid, pour order 8): 841,340 841,-10 840,-11 654,-11 654,340 659,340
+3V3 on Top Layer "Top Layer-+3V3" (solid, pour order 6): 1199,1622 1262,1622 1300,1622 1300,1822 1199,1822
+5V on Top Layer "Top Layer-+5V 1" (solid, pour order 4): 1061,2029 1061,1844 1166,1844 1166,1916 1178,1916 1178,2029
VBUS on Top Layer "Top Layer-VBUS" (solid, pour order 2): 987,1927 1038.94,1927 1038.94,2025 1014,2025 1014,2090 987,2090
no net on Top Layer "Top Layer-No Net 1" (solid, pour order 0): 990,2085
GND on Bottom Layer "Bottom Layer-GND" (solid, remove dead copper, pour order 23): -34.87,83.82 cw(c-30,85) -35.02,85 -35.02,2200 cw(c-30,2200) -35.01,2200.17 cw(c100,2200) 100,2335.02 cw(c100,2330) 100.03,2335.01 1790,2335.02 cw(c1790,2330) 1790.16,2335.01 cw(c1790,2200) 1925.02,2200 cw(c1920,2200) 1925.01,2199.92 1925.01,90.03 cw(c1920,90) 1925.02,90 cw(c1790,90) 1925.02,90 cw(c1790,90) 1790,-45.02 cw(c1790,-40) 1789.97,-45.01 95,-45.01 cw(c95,-40) 93.8,-44.87 cw(c100,90)
+5V on Bottom Layer "Bottom Layer-+5V" (solid, pour order 20): 100,772 200,772 200,1220 100,1220 100,1218
+5V on Bottom Layer "Bottom Layer-+5V 1" (solid, pour order 18): 1671,1166 1771,1166 1771,1614 1671,1614 1671,1612

## Keep-outs
Keep-Out Layer:
  circle w10: c1810,2226.26 r59.06
  circle w10: c1810,70 r59.06
  circle w10: c70,70 r59.06
  circle w10: c70,2226.26 r59.06
  lines w5: -37.51,2200.17 cw(c100,2200) -37.51,2200.21 ; 1790.16,2337.51 cw(c1790,2200) 1790.2,2337.51 ; 1927.51,2199.87 ccw(c1920,2200) 1927.52,2199.9 ; -37.51,2200.21 cw(c100,2200) 100,2337.52 ; -37.51,2200.21 ccw(c-30,2200) -37.52,2200 -37.52,85 ccw(c-30,85) -37.36,83.48 ccw(c100,90) 93.47,-47.36 ccw(c95,-40) 95,-47.52 1789.96,-47.52 ; 100,2337.52 cw(c100,2330) 100.04,2337.52 ; 100.02,2337.52 ccw(c100,2335.02) 100,2337.52 ; 100.02,2337.52 ccw(c100,2335.02) 100.02,2337.52 ; 100.02,2337.52 cw(c100.03,2335.01) 100.03,2337.52 ; 100.02,2337.52 100.03,2337.52 ; 100.05,2337.52 ccw(c100,2330) 100.04,2337.52 ; 100.04,2337.52 1790,2337.52 cw(c1790,2330) 1790.2,2337.51 ; 100.03,2337.52 100.04,2337.52 ; 1789.97,-47.52 ccw(c1789.97,-45.01) 1789.98,-47.52 ; 1789.96,-47.52 ccw(c1790,-40) 1790,-47.52 ; 1789.95,-47.52 ccw(c1790,-40) 1789.96,-47.52 ; 1789.97,-47.52 1789.98,-47.52 ; 1789.96,-47.52 1789.97,-47.52 ; 1790,-47.52 ccw(c1790,90) 1927.52,90 ; 1789.98,-47.52 ccw(c1790,-45.02) 1790,-47.52 ; 1789.98,-47.52 ccw(c1790,-45.02) 1789.98,-47.52 ; 1790.2,2337.51 cw(c1790,2200) 1927.52,2200 ; 1927.52,90.02 ccw(c1925.02,90) 1927.52,90.02 ; 1927.52,90 ccw(c1925.02,90) 1927.52,90.02 ; 1927.52,90 ccw(c1920,90) 1927.52,90.04 ; 1927.52,90 ccw(c1925.02,90) 1927.52,90.02 ; 1927.52,90 ccw(c1925.02,90) 1927.52,90 ; 1927.52,90.02 ccw(c1925.01,90.03) 1927.52,90.03 ; 1927.52,90.02 ccw(c1925.01,90.03) 1927.52,90.02 ; 1927.52,90 ccw(c1925.02,90) 1927.52,90 ; 1927.52,90 ccw(c1790,90) 1927.52,90 ; 1927.52,90.02 1927.52,90.03 ; 1927.52,90.04 ccw(c1920,90) 1927.52,90.05 ; 1927.52,90.04 1927.52,2199.9 ; 1927.52,90.03 1927.52,90.04 ; 1927.52,2199.92 ccw(c1925.01,2199.92) 1927.52,2199.94 ccw(c1925.02,2200) 1927.52,2200 ; 1927.52,2199.9 ccw(c1920,2200) 1927.52,2200 ; 1927.52,2199.9 1927.52,2199.92
  lines w10: -30,85 -30,2200 cw(c100,2200) 100,2330 1790,2330 cw(c1790,2200) 1920,2200 ; -30,90 ccw(c100,90) 100,-40 ; 95,-40 1790,-40 ccw(c1790,90) 1920,90 ; 1925,94 1925,2204

## Silkscreen, mask and mechanical layers (free items; w line width, h text height)
Top Overlay:
  drawing of 547 lines, arcs and shapes, not listed
  text "POWER" at 1368,2247 h30
  text "BZR" at 1644,2131 h30
  text "RESET" at 459,2064 h30 r90
  text "TELE" at 271,1919 h30 r90
  text "GPS" at 1619,1725 h30 r90
  text "UART5" at 271,1582 h30 r90
  text "SRV1" at 1555.63,1502 h30 r90
  text "SRV2" at 1555.63,1382 h30 r90
  text "I2C3" at 271,1335 h30 r90
  text "SRV3" at 1555.63,1266 h30 r90
  text "SRV4" at 1555.63,1160 h30 r90
  text "GND" at 322,1147 h30
  text "5V" at 429,1147 h30
  text "ESC1" at 508,1147 h30
  text "SG" at 1589,1123 h30
  text "5V" at 1693,1123 h30
  text "GND" at 1779,1123 h30
  text "BOOT" at 1666,1049 h30
  text "GND" at 322,1037 h30
  text "5V" at 429,1037 h30
  text "ESC2" at 500.86,1037 h30
  text "GND" at 322,923 h30
  text "5V" at 429,923 h30
  text "ESC3" at 500.86,920 h30
  text "GND" at 322,819 h30
  text "5V" at 429,819 h30
  text "ESC4" at 498,819 h30
  text "3V3" at 1864.56,736 h30 r90
  text "CLK" at 1864.56,632 h30 r90
  text "GND" at 1864.56,526 h30 r90
  text "DIO" at 1864.56,430 h30 r90
  text "PC1" at 49,375 h30
  text "PC2" at 201,375 h30
  text "BOARD" at 469,345 h40 r90
  text "RST" at 1864.56,325 h30 r90
  text "PC3" at 49,312 h30
  text "PC4" at 201,312 h30
  text "PC5" at 49,245 h30
  text "PC8" at 201,245 h30
  text "FLIGHT CONTROLLER" at 404,160 h40 r90
  text "INPUT(5V-24V)" at 302,17 h30